# Altium PCB DIO_MCX_Isolated_mezzanine.PCBDOC (part 3 of 3)
Units mm, origin at the board's own origin, x right, y up, seen from the top; angles counter-clockwise.
Board outline 139 x 100 mm, 4 copper layers (L1, P2, P3, L4), stack 1.571 mm thick; 239 components, 136 nets, 884 pads, 299 vias.
Unrouted connection lines stored in the file: 1.
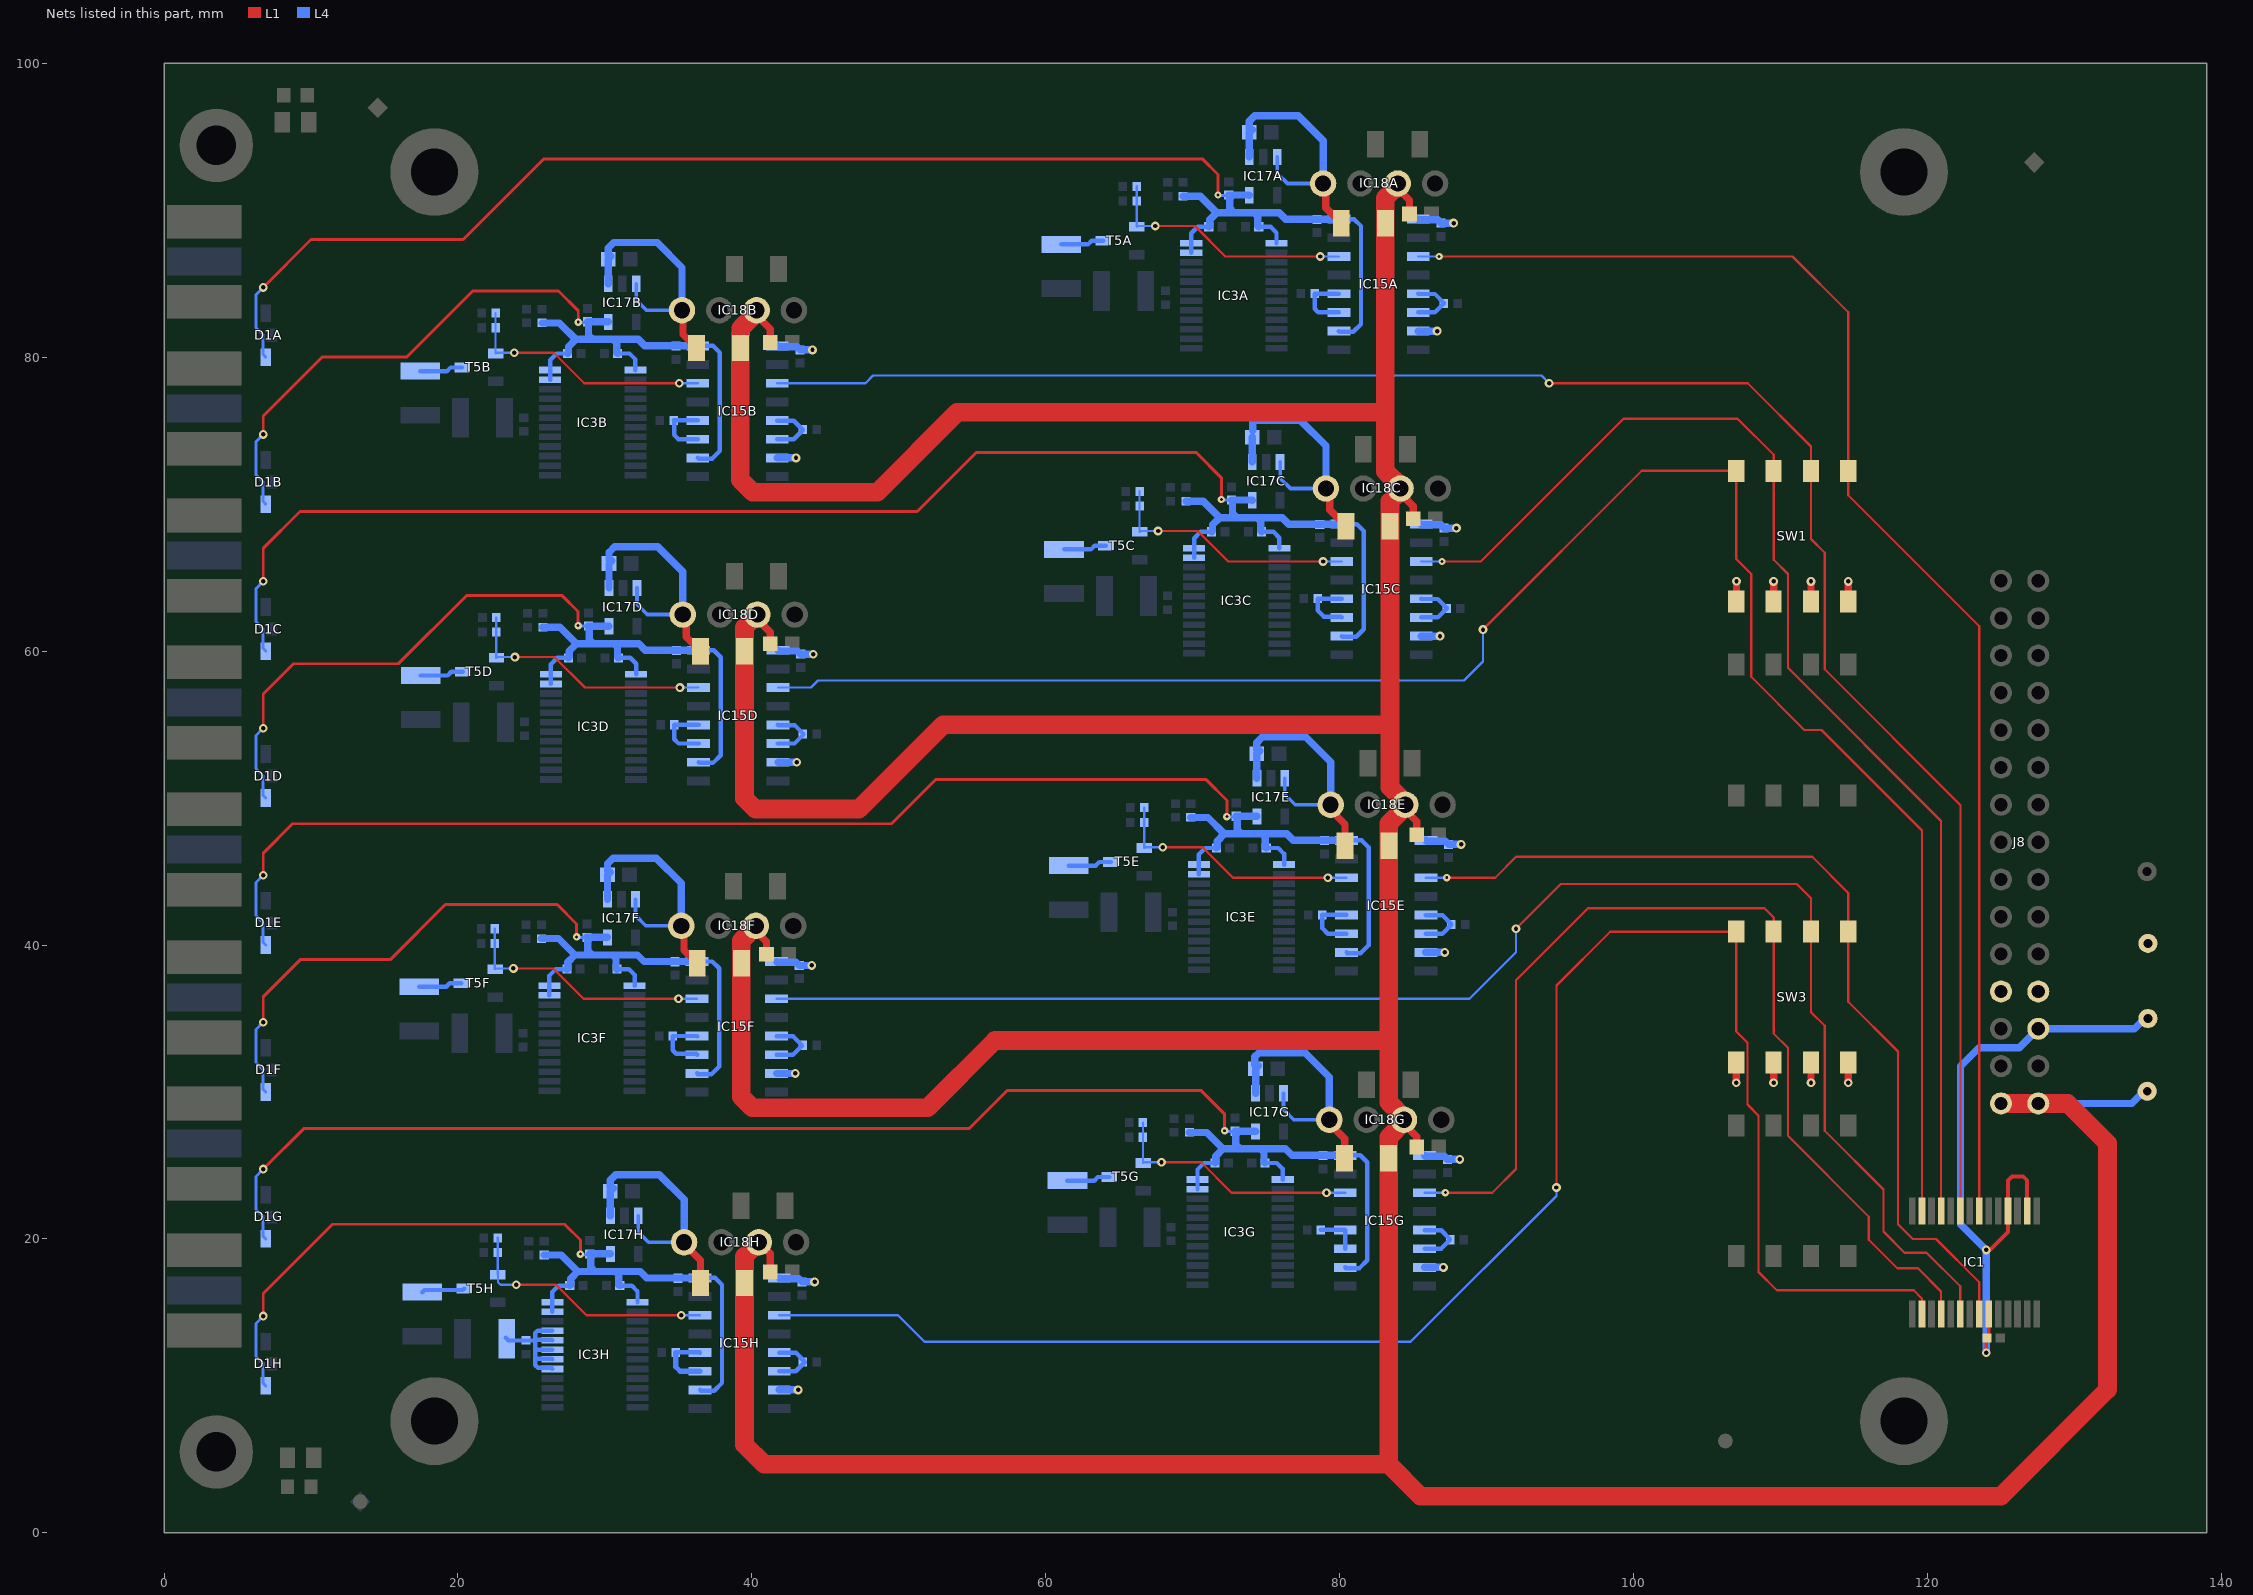
[diagram p5: the nets of this part, all layers, seen from the top]

## Via types
v1: diameter 0.6, hole 0.3, L1 to L4, tented both sides, 259 vias
v2: diameter 0.5, hole 0.2, L1 to L4, tented both sides, 40 vias

## Nets (pads, with @x,y where several pads share a name; then routed paths per layer and width w, separated by ;. In a path a pad name is that pad's centre, name@x,y a point inside that pad or via, vN(x,y) a via of type N, cw(c..) or ccw(c..) an arc to the next point about the centre after c; other vN are vias at no path point) (continued)
NetIC3H_17: IC3H.17 IC3H.18 IC3H.19 IC3H.20 IC3H.21 R62H.2 R65H.2 | length 10.2
  L4 w0.3: R62H.2@23.265,13.266 R62H.2@23.38,13.151 ; R62H.2@23.435,13.086 25.32,13.086 ; IC3H.17@26.42,11.151 26.345,11.226 25.445,11.226 25.265,11.406 25.265,11.851 ; IC3H.18@26.42,11.801 26.37,11.851 25.265,11.851 ; IC3H.19@26.42,12.451 25.265,12.451 ; IC3H.20@26.42,13.101 26.37,13.151 25.265,13.151 ; IC3H.21@26.42,13.751 25.42,13.751 25.265,13.595 25.265,13.151 ; 25.265,11.851 25.265,12.451 ; 25.265,12.451 25.265,13.151
NetIC15A_5: IC15A.5 IC15A.6 R1A.1 | length 4
  L4 w0.3: IC15A.6@85.35,83.045 86.475,83.045 R1A.1@87.085,83.655 87.085,83.675 87.085,83.695 86.481,84.299 85.365,84.299 IC15A.5@85.35,84.315
NetIC15A_11: IC15A.11 IC15A.12 R63A.2 | length 4.4
  L4 w0.3: IC15A.11@79.95,83.045 78.545,83.045 78.3,83.29 R63A.2@78.3,84.325 79.94,84.325 IC15A.12@79.95,84.315
NetIC15B_5: IC15B.5 IC15B.6 R1B.1 | length 4
  L4 w0.3: IC15B.6@41.725,74.42 42.85,74.42 43.46,75.03 43.46,75.05 R1B.1@43.46,75.07 42.856,75.674 41.74,75.674 IC15B.5@41.725,75.69
NetIC15B_11: IC15B.11 IC15B.12 R63B.2 | length 4.4
  L4 w0.3: IC15B.11@36.325,74.42 35,74.42 34.705,74.715 34.705,75.67 R63B.2@34.675,75.7 36.315,75.7 IC15B.12@36.325,75.69
NetIC15C_5: IC15C.5 IC15C.6 R1C.1 | length 4
  L4 w0.3: IC15C.6@85.545,62.29 86.67,62.29 R1C.1@87.28,62.9 87.28,62.92 87.28,62.94 86.675,63.544 85.56,63.544 IC15C.5@85.545,63.56
NetIC15C_11: IC15C.11 IC15C.12 R63C.2 | length 4.3
  L4 w0.3: IC15C.11@80.145,62.29 80.084,62.35 78.92,62.35 78.495,62.775 R63C.2@78.495,63.57 78.505,63.56 IC15C.12@80.145,63.56
NetIC15D_5: IC15D.5 IC15D.6 R1D.1 | length 4
  L4 w0.3: IC15D.6@41.775,53.71 42.9,53.71 43.51,54.32 43.51,54.34 43.51,54.36 42.906,54.964 41.79,54.964 IC15D.5@41.775,54.98
NetIC15D_11: IC15D.11 IC15D.12 R63D.2 | length 4.4
  L4 w0.3: IC15D.11@36.375,53.71 35.015,53.71 34.725,54 R63D.2@34.725,54.99 36.365,54.99 IC15D.12@36.375,54.98
NetIC15E_5: IC15E.5 IC15E.6 R1E.1 | length 4
  L4 w0.3: IC15E.6@85.864,40.77 86.99,40.77 87.6,41.38 R1E.1@87.6,41.4 87.6,41.42 86.995,42.024 85.88,42.024 IC15E.5@85.864,42.04
NetIC15E_11: IC15E.11 IC15E.12 R63E.2 | length 4.4
  L4 w0.3: IC15E.11@80.464,40.77 79.195,40.77 78.815,41.15 R63E.2@78.815,42.05 80.454,42.05 IC15E.12@80.464,42.04
NetIC15F_5: IC15F.5 IC15F.6 R1F.1 | length 4
  L4 w0.3: IC15F.6@41.675,32.53 42.8,32.53 43.41,33.14 43.41,33.16 43.41,33.18 42.806,33.784 41.69,33.784 IC15F.5@41.675,33.8
NetIC15F_11: IC15F.11 IC15F.12 R63F.2 | length 4.4
  L4 w0.3: IC15F.11@36.275,32.53 36.205,32.6 34.855,32.6 34.625,32.83 R63F.2@34.625,33.81 36.265,33.81 IC15F.12@36.275,33.8
NetIC15G_5: IC15G.5 IC15G.6 R1G.1 | length 4
  L4 w0.3: IC15G.6@85.775,19.335 86.9,19.335 R1G.1@87.51,19.945 87.51,19.965 87.51,19.985 86.906,20.589 85.791,20.589 IC15G.5@85.775,20.605
NetIC15G_11: IC15G.11 IC15G.12 R63G.2 | length 2.9
  L4 w0.3: R63G.2@78.725,20.615 80.365,20.615 IC15G.12@80.375,20.605 IC15G.11@80.375,19.335
NetIC15H_5: IC15H.5 IC15H.6 R1H.1 | length 4
  L4 w0.3: IC15H.6@41.87,10.996 42.995,10.996 43.605,11.606 43.605,11.626 43.605,11.646 43.001,12.25 41.885,12.25 IC15H.5@41.87,12.266
NetIC15H_11: IC15H.11 IC15H.12 R63H.2 | length 4.4
  L4 w0.3: R63H.2@34.82,12.276 36.46,12.276 IC15H.12@36.47,12.266
  L4 w0.35: R63H.2@34.82,12.276 34.82,11.305 35.125,11 36.465,11 IC15H.11@36.47,10.996
NetR64A_1: R64A.1 T5A.3 | length 3
  L4 w0.3: R64A.1@61.05,87.675 62.875,87.675 63.125,87.925 T5A.3@63.9,87.925
NetR64B_1: R64B.1 T5B.3 | length 3
  L4 w0.3: R64B.1@17.425,79.05 19.25,79.05 19.5,79.3 T5B.3@20.275,79.3
NetR64C_1: R64C.1 T5C.3 | length 3
  L4 w0.3: R64C.1@61.245,66.92 63.07,66.92 63.32,67.17 T5C.3@64.095,67.17
NetR64D_1: R64D.1 T5D.3 | length 3
  L4 w0.3: R64D.1@17.475,58.34 19.3,58.34 19.55,58.59 T5D.3@20.325,58.59
NetR64E_1: R64E.1 T5E.3 | length 3
  L4 w0.3: R64E.1@61.565,45.4 63.39,45.4 63.64,45.65 T5E.3@64.415,45.65
NetR64F_1: R64F.1 T5F.3 | length 3
  L4 w0.3: R64F.1@17.375,37.16 19.2,37.16 19.45,37.41 T5F.3@20.225,37.41
NetR64G_1: R64G.1 T5G.3 | length 3
  L4 w0.3: R64G.1@61.475,23.965 63.3,23.965 63.55,24.215 T5G.3@64.325,24.215
NetR64H_1: R64H.1 T5H.3 | length 3
  L4 w0.3: R64H.1@17.57,16.376 17.722,16.527 20.322,16.527 T5H.3@20.42,16.626
P3V3: B2.1 C33A.2 C33B.2 C33C.2 C33D.2 C33E.2 C33F.2 C33G.2 C33H.2 IC15A.1 IC15A.7 IC15B.1 IC15B.7 IC15C.1 IC15C.7 IC15D.1 IC15D.7 IC15E.1 IC15E.7 IC15F.1 IC15F.7 IC15G.1 IC15G.7 IC15H.1 IC15H.7 J8.7 J8.8 SW1.5 SW1.6 SW1.7 SW1.8 SW3.5 SW3.6 SW3.7 SW3.8 | length 41.4
  L1 w0.5: v1(106.99,30.63) SW3.5@106.99,32.005 ; SW1.5@106.99,63.365 107,63.375 v1(107,64.75) ; v1(109.53,30.63) SW3.6@109.53,32.005 ; SW1.6@109.53,63.365 v1(109.53,64.74) ; v1(112.07,30.63) SW3.7@112.07,32.005 ; SW1.7@112.07,63.365 v1(112.07,64.74) ; v1(114.61,30.63) SW3.8@114.61,32.005 ; SW1.8@114.61,63.365 v1(114.61,64.74)
  L4 w0.5: IC15F.7@41.675,31.26 v1(42.955,31.26) ; IC15F.1@41.675,38.88 41.725,38.83 43.005,38.83 C33F.2@43.225,38.61 v1(44.075,38.61) ; IC15B.7@41.725,73.15 v1(43.005,73.15) ; IC15B.1@41.725,80.77 41.775,80.72 43.055,80.72 C33B.2@43.275,80.5 v1(44.125,80.5) ; IC15D.7@41.775,52.44 v1(43.055,52.44) ; IC15D.1@41.775,60.06 41.825,60.01 43.105,60.01 C33D.2@43.325,59.79 v1(44.175,59.79) ; IC15H.7@41.87,9.726 v1(43.15,9.726) ; IC15H.1@41.87,17.346 41.92,17.296 43.2,17.296 C33H.2@43.42,17.076 v1(44.27,17.076) ; IC15A.7@85.35,81.775 v1(86.63,81.775) ; IC15A.1@85.35,89.395 85.4,89.345 86.68,89.345 C33A.2@86.9,89.125 v1(87.75,89.125) ; IC15C.7@85.545,61.02 v1(86.825,61.02) ; IC15C.1@85.545,68.64 85.595,68.59 86.875,68.59 C33C.2@87.095,68.37 v1(87.945,68.37) ; IC15G.7@85.775,18.065 v1(87.055,18.065) ; IC15G.1@85.775,25.685 85.825,25.635 87.105,25.635 C33G.2@87.325,25.415 v1(88.175,25.415) ; IC15E.7@85.864,39.5 v1(87.145,39.5) ; IC15E.1@85.864,47.12 85.914,47.07 87.195,47.07 C33E.2@87.415,46.85 v1(88.265,46.85)
P3V3_ISOA: C31A.2 C32A.2 C34A.2 C36A.2 D1A.2 IC3A.1 IC3A.23 IC3A.24 IC15A.10 IC15A.16 IC17A.5 R61A.2 | length 107.6
  L1 w0.2: v1(6.75,84.75) 10,88 20.357,88 25.857,93.5 70.65,93.5 71.716,92.434 v2(71.716,91.034)
  L4 w0.2: v1(6.75,84.75) 6.25,84.25 6.25,82 6.744,81.506 6.744,80.177 D1A.2@6.921,80 ; v2(71.716,91.034) 71.75,91 72.416,91 C34A.2@72.45,91.034
  L4 w0.3: IC3A.23@69.9,87.1 IC3A.24@69.9,87.75 69.9,88.435 70.34,88.875 C31A.2@71.09,88.875 ; C32A.2@74.49,88.875 75.3,88.875 75.7,88.475 IC3A.1@75.7,87.75 ; IC15A.10@79.95,81.775 80,81.725 80.925,81.725 81.45,82.25 81.45,88.925 80.98,89.395 IC15A.16@79.95,89.395
  L4 w0.5: R61A.2@69.35,90.955 70.52,90.955 71.64,89.835 ; C31A.2@71.09,88.875 71.15,88.935 71.15,89.345 71.64,89.835 ; IC17A.5@73.852,91.025 73.843,91.034 C34A.2@72.45,91.034 72.51,90.974 72.51,90.128 72.803,89.835 ; C32A.2@74.49,88.875 74.43,88.935 74.43,89.602 74.197,89.835 ; IC15A.16@79.95,89.395 76.33,89.395 75.89,89.835 74.197,89.835 ; 71.64,89.835 72.803,89.835 ; 72.803,89.835 74.197,89.835
P3V3_ISOB: C31B.2 C32B.2 C34B.2 C36B.2 D1B.2 IC3B.1 IC3B.23 IC3B.24 IC15B.10 IC15B.16 IC17B.5 R61B.2 | length 64.6
  L1 w0.2: v1(6.75,74.75) 6.75,76 10.75,80 16.5,80 21,84.5 26.85,84.5 28.185,83.165 v2(28.185,82.384)
  L4 w0.2: v1(6.75,74.75) 6.25,74.25 6.25,72 6.744,71.506 6.744,70.177 D1B.2@6.921,70 ; v2@28.219,82.349 C34B.2@28.885,82.349
  L4 w0.3: IC3B.23@26.275,78.475 26.275,79.81 26.715,80.25 C31B.2@27.465,80.25 ; C32B.2@30.865,80.25 31.675,80.25 32.075,79.85 IC3B.1@32.075,79.125 ; IC15B.10@36.325,73.15 36.375,73.1 37.3,73.1 37.825,73.625 37.825,80.3 37.355,80.77 IC15B.16@36.325,80.77
  L4 w0.5: R61B.2@25.725,82.33 26.895,82.33 28.015,81.21 ; C31B.2@27.465,80.25 27.525,80.31 27.525,80.72 28.015,81.21 ; IC17B.5@30.227,82.4 30.218,82.409 C34B.2@28.825,82.409 28.885,82.349 28.885,81.503 29.178,81.21 ; C32B.2@30.865,80.25 30.805,80.31 30.805,80.977 30.572,81.21 ; IC15B.16@36.325,80.77 32.705,80.77 32.265,81.21 30.572,81.21 ; 28.015,81.21 29.178,81.21 ; 29.178,81.21 30.572,81.21
P3V3_ISOC: C31C.2 C32C.2 C34C.2 C36C.2 D1C.2 IC3C.1 IC3C.23 IC3C.24 IC15C.10 IC15C.16 IC17C.5 R61C.2 | length 109.4
  L1 w0.2: v1(6.75,64.75) 6.75,67 9.25,69.5 51.25,69.5 55.25,73.5 70.248,73.5 71.945,71.804 v2(71.945,70.314)
  L4 w0.2: v1(6.75,64.75) 6.25,64.25 6.25,62 6.744,61.506 6.744,60.177 D1C.2@6.921,60 ; v2@71.979,70.279 C34C.2@72.645,70.279
  L4 w0.3: IC3C.23@70.095,66.345 70.095,67.68 70.535,68.12 C31C.2@71.285,68.12 ; C32C.2@74.685,68.12 75.495,68.12 75.895,67.72 IC3C.1@75.895,66.995 ; IC15C.10@80.145,61.02 80.195,60.97 81.12,60.97 81.645,61.495 81.645,68.17 81.175,68.64 IC15C.16@80.145,68.64
  L4 w0.5: R61C.2@69.545,70.2 70.715,70.2 71.835,69.08 ; C31C.2@71.285,68.12 71.345,68.18 71.345,68.59 71.835,69.08 ; IC17C.5@74.047,70.27 74.038,70.279 C34C.2@72.645,70.279 72.705,70.219 72.705,69.373 72.998,69.08 ; C32C.2@74.685,68.12 74.625,68.18 74.625,68.847 74.392,69.08 ; IC15C.16@80.145,68.64 76.525,68.64 76.085,69.08 74.392,69.08 ; 71.835,69.08 72.998,69.08 ; 72.998,69.08 74.392,69.08
P3V3_ISOD: C31D.2 C32D.2 C34D.2 C36D.2 D1D.2 IC3D.1 IC3D.23 IC3D.24 IC15D.10 IC15D.16 IC17D.5 R61D.2 | length 65
  L1 w0.2: v1(6.75,54.75) 6.75,57.09 8.8,59.14 15.945,59.14 20.574,63.769 27.096,63.769 28.175,62.69 v2(28.175,61.734)
  L4 w0.2: v1(6.75,54.75) 6.25,54.25 6.25,52 6.744,51.506 6.744,50.177 D1D.2@6.921,50 ; v2@28.209,61.699 C34D.2@28.875,61.699
  L4 w0.3: IC3D.23@26.325,57.765 26.325,59.1 26.765,59.54 C31D.2@27.515,59.54 ; C32D.2@30.915,59.54 31.725,59.54 32.125,59.14 IC3D.1@32.125,58.415 ; IC15D.10@36.375,52.44 36.425,52.39 37.35,52.39 37.875,52.915 37.875,59.59 37.405,60.06 IC15D.16@36.375,60.06
  L4 w0.5: R61D.2@25.775,61.62 26.945,61.62 28.065,60.5 ; C31D.2@27.515,59.54 27.575,59.6 27.575,60.01 28.065,60.5 ; IC17D.5@30.277,61.69 30.268,61.699 C34D.2@28.875,61.699 28.935,61.639 28.935,60.793 29.228,60.5 ; C32D.2@30.915,59.54 30.855,59.6 30.855,60.267 30.622,60.5 ; IC15D.16@36.375,60.06 32.755,60.06 32.315,60.5 30.622,60.5 ; 28.065,60.5 29.228,60.5 ; 29.228,60.5 30.622,60.5
P3V3_ISOE: C31E.2 C32E.2 C34E.2 C36E.2 D1E.2 IC3E.1 IC3E.23 IC3E.24 IC15E.10 IC15E.16 IC17E.5 R61E.2 | length 107.9
  L1 w0.2: v1(6.75,44.75) 6.75,46.25 8.75,48.25 49.5,48.25 52.5,51.25 70.916,51.25 72.325,49.841 v2(72.325,48.734)
  L4 w0.2: v1(6.75,44.75) 6.25,44.25 6.25,42 6.744,41.506 6.744,40.177 D1E.2@6.921,40 ; v2@72.359,48.699 C34E.2@73.025,48.699
  L4 w0.3: IC3E.23@70.415,44.825 70.415,46.16 70.855,46.6 C31E.2@71.605,46.6 ; C32E.2@75.005,46.6 75.814,46.6 76.215,46.2 IC3E.1@76.215,45.475 ; IC15E.10@80.464,39.5 80.514,39.45 81.439,39.45 81.965,39.975 81.965,46.65 81.495,47.12 IC15E.16@80.464,47.12
  L4 w0.5: R61E.2@69.865,48.68 71.035,48.68 72.155,47.56 ; C31E.2@71.605,46.6 71.665,46.66 71.665,47.07 72.155,47.56 ; IC17E.5@74.367,48.75 74.357,48.759 C34E.2@72.965,48.759 73.025,48.699 73.025,47.853 73.317,47.56 ; C32E.2@75.005,46.6 74.945,46.66 74.945,47.327 74.712,47.56 ; IC15E.16@80.464,47.12 76.845,47.12 76.405,47.56 74.712,47.56 ; 72.155,47.56 73.317,47.56 ; 73.317,47.56 74.712,47.56
P3V3_ISOF: C31F.2 C32F.2 C34F.2 C36F.2 D1F.2 IC3F.1 IC3F.23 IC3F.24 IC15F.10 IC15F.16 IC17F.5 R61F.2 | length 64.2
  L1 w0.2: v1(6.75,34.75) 6.75,36.485 9.265,39 15.39,39 19.14,42.75 26.75,42.75 28.075,41.425 v2(28.075,40.554)
  L4 w0.2: v1(6.75,34.75) 6.25,34.25 6.25,32 6.744,31.506 6.744,30.177 D1F.2@6.921,30 ; v2@28.109,40.519 C34F.2@28.775,40.519
  L4 w0.3: IC3F.23@26.225,36.585 26.225,37.92 26.665,38.36 C31F.2@27.415,38.36 ; C32F.2@30.815,38.36 31.625,38.36 32.025,37.96 IC3F.1@32.025,37.235 ; IC15F.10@36.275,31.26 36.325,31.21 37.25,31.21 37.775,31.735 37.775,38.41 37.305,38.88 IC15F.16@36.275,38.88
  L4 w0.5: R61F.2@25.675,40.44 26.845,40.44 27.965,39.32 ; C31F.2@27.415,38.36 27.475,38.42 27.475,38.83 27.965,39.32 ; IC17F.5@30.177,40.51 30.168,40.519 C34F.2@28.775,40.519 28.835,40.459 28.835,39.613 29.128,39.32 ; C32F.2@30.815,38.36 30.755,38.42 30.755,39.087 30.522,39.32 ; IC15F.16@36.275,38.88 32.655,38.88 32.215,39.32 30.522,39.32 ; 27.965,39.32 29.128,39.32 ; 29.128,39.32 30.522,39.32
P3V3_ISOG: C31G.2 C32G.2 C34G.2 C36G.2 D1G.2 IC3G.1 IC3G.23 IC3G.24 IC15G.10 IC15G.16 IC17G.5 R61G.2 | length 106.5
  L1 w0.2: v1(6.75,24.75) 9.5,27.5 54.775,27.5 57.36,30.085 70.581,30.085 72.175,28.49 v2(72.175,27.359)
  L4 w0.2: v1(6.75,24.75) 6.25,24.25 6.25,22 6.744,21.506 6.744,20.177 D1G.2@6.921,20 ; v2@72.21,27.324 C34G.2@72.875,27.324
  L4 w0.3: IC3G.23@70.325,23.39 70.325,24.725 70.765,25.165 C31G.2@71.515,25.165 ; C32G.2@74.915,25.165 75.725,25.165 76.125,24.765 IC3G.1@76.125,24.04 ; IC15G.10@80.375,18.065 80.425,18.015 81.35,18.015 81.875,18.54 81.875,25.215 81.405,25.685 IC15G.16@80.375,25.685
  L4 w0.5: R61G.2@69.775,27.245 70.945,27.245 72.065,26.125 ; C31G.2@71.515,25.165 71.575,25.225 71.575,25.635 72.065,26.125 ; IC17G.5@74.277,27.315 74.268,27.324 C34G.2@72.875,27.324 72.935,27.264 72.935,26.418 73.228,26.125 ; C32G.2@74.915,25.165 74.855,25.225 74.855,25.892 74.622,26.125 ; IC15G.16@80.375,25.685 76.755,25.685 76.315,26.125 74.622,26.125 ; 72.065,26.125 73.228,26.125 ; 73.228,26.125 74.622,26.125
P3V3_ISOH: C31H.2 C32H.2 C34H.2 C36H.2 D1H.2 IC3H.1 IC3H.23 IC3H.24 IC15H.10 IC15H.16 IC17H.5 R61H.2 | length 63.6
  L1 w0.2: v1(6.75,14.75) 6.75,16.286 11.464,21 27.25,21 28.33,19.92 v2(28.33,18.959)
  L4 w0.2: v1(6.75,14.75) 6.25,14.25 6.25,12 6.744,11.506 6.744,10.177 D1H.2@6.921,10 ; v2@28.364,18.925 C34H.2@29.03,18.925
  L4 w0.3: IC3H.23@26.42,15.051 26.42,16.386 26.86,16.826 C31H.2@27.61,16.826 ; C32H.2@31.01,16.826 31.82,16.826 32.22,16.426 IC3H.1@32.22,15.701 ; IC15H.10@36.47,9.726 36.52,9.676 37.445,9.676 37.97,10.201 37.97,16.876 37.5,17.346 IC15H.16@36.47,17.346
  L4 w0.5: R61H.2@25.87,18.906 27.04,18.906 28.16,17.786 ; C31H.2@27.61,16.826 27.67,16.886 27.67,17.296 28.16,17.786 ; IC17H.5@30.372,18.976 30.363,18.985 C34H.2@28.97,18.985 29.03,18.925 29.03,18.078 29.323,17.786 ; C32H.2@31.01,16.826 30.95,16.886 30.95,17.553 30.717,17.786 ; IC15H.16@36.47,17.346 32.85,17.346 32.41,17.786 30.717,17.786 ; 28.16,17.786 29.323,17.786 ; 29.323,17.786 30.717,17.786
P3V3_MP: B1.1 C1.2 IC1.9 IC1.16 IC1.18 J8.5 | length 46.1
  L1 w0.254: v1(124,12.25) 124,13.2 C1.2@124.05,13.25 124.175,13.375 IC1.9@124.175,14.9 ; v1(124,19.25) 124.25,19.25 125.475,20.475 IC1.18@125.475,21.9 125.475,23.975 125.75,24.25 126.515,24.25 126.775,23.99 IC1.16@126.775,21.9
  L4 w0.5: v1(124,12.25) v1(124,19.25) 122.25,21 122.25,31.75 123.5,33 126.24,33 J8.5@127.54,34.3 134.083,34.3 134.784,35 B1.1@135,35
P5V0: B3.1 C3A.2 C3B.2 C3C.2 C3D.2 C3E.2 C3F.2 C3G.2 C3H.2 C4A.2 C4B.2 C4C.2 C4D.2 C4E.2 C4F.2 C4G.2 C4H.2 IC18A.2 IC18B.2 IC18C.2 IC18D.2 IC18E.2 IC18F.2 IC18G.2 IC18H.2 J8.1 J8.2 | length 428.6
  L1 w0.5: IC18F.2@40.275,41.305 40.275,40.953 41,40.228 C3F.2@41,39.38 ; IC18B.2@40.325,83.195 40.325,83.052 40.325,82.843 41.25,81.918 C3B.2@41.25,81 ; IC18D.2@40.375,62.485 40.375,62.165 41.25,61.29 C3D.2@41.25,60.5 ; IC18H.2@40.47,19.771 41.25,18.991 C3H.2@41.25,17.75 ; IC18A.2@83.95,91.677 83.95,91.468 84.75,90.668 C3A.2@84.75,89.75 ; IC18C.2@84.145,70.922 84.145,70.713 85,69.858 C3C.2@85,69 ; IC18G.2@84.375,27.967 84.375,27.825 85.25,26.95 C3G.2@85.25,26.25 ; IC18E.2@84.465,49.402 84.465,49.193 85.25,48.408 C3E.2@85.25,47.5
  L1 w1.27: IC18F.2@40.275,41.305 39.271,40.301 39.271,29.672 40.015,28.928 51.968,28.928 56.54,33.5 83.335,33.5 ; IC18B.2@40.325,83.052 39.25,81.976 39.25,81.575 39.217,81.542 39.217,71.653 40.052,70.818 48.549,70.818 53.981,76.25 83.105,76.25 ; IC18D.2@40.375,62.485 39.5,61.61 C4D.2@39.5,60 39.5,49.994 40.244,49.25 47.278,49.25 53.028,55 83.425,55 ; IC18H.2@40.47,19.771 39.5,18.8 C4H.2@39.5,17 39.5,6 40.835,4.665 83.335,4.665 ; IC18A.2@83.95,91.677 83.105,90.831 C4A.2@83.105,89.125 83.105,76.25 ; J8.2@125,29.22 J8.1@127.54,29.22 129.545,29.22 132.25,26.515 132.25,9.75 125,2.5 85.5,2.5 83.335,4.665 ; 83.105,76.25 83.105,72.248 84.145,71.208 IC18C.2@84.145,71.065 84.145,70.922 83.425,70.201 C4C.2@83.425,68.5 83.425,55 ; 83.335,4.665 83.335,26.927 84.375,27.967 IC18G.2@84.375,28.11 84.375,28.253 83.335,29.293 83.335,33.5 ; 83.335,33.5 83.335,48.272 84.465,49.402 IC18E.2@84.465,49.545 84.465,49.688 83.425,50.728 83.425,55
  L4 w0.5: J8.1@127.54,29.22 133.904,29.22 134.734,30.05 B3.1@134.942,30.05
  L4 w1.27: B3.1@134.942,30.05 B3.1@134.951,30.05
P5V0_ISOA: C2A.2 C4A.1 IC17A.1 IC17A.3 IC18A.4 | length 19.2
  L1 w0.5: IC18A.4@78.87,91.82 79.06,91.63 79.06,90.17 C4A.1@80.105,89.125
  L4 w0.254: IC17A.3@75.752,93.625 75.752,92.523 76.455,91.82 IC18A.4@78.87,91.82
  L4 w0.5: IC17A.1@73.852,93.625 C2A.2@73.852,95.3 74.04,95.488 74.012,95.488 73.95,95.55 73.85,95.55 73.85,96.05 74.225,96.425 77.175,96.425 78.87,94.73 IC18A.4@78.87,91.82
P5V0_ISOB: C2B.2 C4B.1 IC17B.1 IC17B.3 IC18B.4 | length 18.9
  L1 w0.5: IC18B.4@35.245,83.195 35.315,83.125 35.315,81.545 C4B.1@36.235,80.625
  L4 w0.254: IC17B.3@32.127,85 32.127,83.898 32.83,83.195 IC18B.4@35.245,83.195
  L4 w0.5: IC17B.1@30.227,85 C2B.2@30.227,86.675 30.415,86.863 30.387,86.863 30.325,86.925 30.225,86.925 30.225,87.425 30.6,87.8 33.55,87.8 35.245,86.105 IC18B.4@35.245,83.195
P5V0_ISOC: C2C.2 C4C.1 IC17C.1 IC17C.3 IC18C.4 | length 18.5
  L1 w0.5: IC18C.4@79.065,71.065 79.314,70.816 79.314,69.611 C4C.1@80.425,68.5
  L4 w0.254: IC17C.3@75.947,72.87 75.947,71.768 76.65,71.065 IC18C.4@79.065,71.065
  L4 w0.5: IC17C.1@74.047,72.87 C2C.2@74.047,74.545 ; C2C.2@74.095,75.02 74.095,75.52 74.295,75.721 77.319,75.721 79.065,73.975 IC18C.4@79.065,71.065
P5V0_ISOD: C2D.2 C4D.1 IC17D.1 IC17D.3 IC18D.4 | length 18.9
  L1 w0.5: IC18D.4@35.295,62.485 35.544,62.236 35.544,60.956 C4D.1@36.5,60
  L4 w0.254: IC17D.3@32.177,64.29 32.177,63.188 32.88,62.485 IC18D.4@35.295,62.485
  L4 w0.5: IC17D.1@30.277,64.29 C2D.2@30.277,65.965 30.465,66.153 30.437,66.153 30.375,66.215 30.275,66.215 30.275,66.715 30.65,67.09 33.6,67.09 35.295,65.395 IC18D.4@35.295,62.485
P5V0_ISOE: C2E.2 C4E.1 IC17E.1 IC17E.3 IC18E.4 | length 19.2
  L1 w0.5: IC18E.4@79.385,49.545 79.385,49.193 80.365,48.213 C4E.1@80.365,46.75
  L4 w0.254: IC17E.3@76.267,51.35 76.267,50.248 76.97,49.545 IC18E.4@79.385,49.545
  L4 w0.5: IC17E.1@74.367,51.35 C2E.2@74.367,53.025 74.555,53.213 74.527,53.213 74.465,53.275 74.365,53.275 74.365,53.775 74.739,54.15 77.69,54.15 79.385,52.455 IC18E.4@79.385,49.545
P5V0_ISOF: C2F.2 C4F.1 IC17F.1 IC17F.3 IC18F.4 | length 19
  L1 w0.5: IC18F.4@35.195,41.305 35.38,41.12 35.38,39.655 C4F.1@36.285,38.75
  L4 w0.254: IC17F.3@32.077,43.11 32.077,42.008 32.78,41.305 IC18F.4@35.195,41.305
  L4 w0.5: IC17F.1@30.177,43.11 C2F.2@30.177,44.785 30.365,44.973 30.337,44.973 30.275,45.035 30.175,45.035 30.175,45.535 30.55,45.91 33.5,45.91 35.195,44.215 IC18F.4@35.195,41.305
P5V0_ISOG: C2G.2 C4G.1 IC17G.1 IC17G.3 IC18G.4 | length 19.1
  L1 w0.5: IC18G.4@79.295,28.11 79.295,27.857 80.335,26.817 C4G.1@80.335,25.5
  L4 w0.254: IC17G.3@76.177,29.915 76.177,28.813 76.88,28.11 IC18G.4@79.295,28.11
  L4 w0.5: IC17G.1@74.277,29.915 C2G.2@74.277,31.59 74.465,31.778 74.292,31.778 74.23,31.84 74.23,32.395 74.49,32.655 77.66,32.655 79.295,31.02 IC18G.4@79.295,28.11
P5V0_ISOH: C2H.2 C4H.1 IC17H.1 IC17H.3 IC18H.4 | length 19.2
  L1 w0.5: IC18H.4@35.39,19.771 35.39,19.657 36.5,18.547 C4H.1@36.5,17
  L4 w0.254: IC17H.3@32.272,21.576 32.272,20.473 32.975,19.771 IC18H.4@35.39,19.771
  L4 w0.5: IC17H.1@30.372,21.576 C2H.2@30.372,23.251 30.56,23.439 30.532,23.439 30.47,23.501 30.37,23.501 30.37,24.001 30.74,24.371 33.7,24.371 35.39,22.681 IC18H.4@35.39,19.771
TERM1: IC1.21 IC15A.3 SW1.1 | length 95.7
  L1 w0.152: v2(86.77,86.855) 110.82,86.855 114.61,83.065 SW1.1@114.61,72.265 114.61,70.61 123.525,61.695 123.525,23.295 IC1.21@123.525,21.9
  L4 w0.152: IC15A.3@85.35,86.855 v2(86.77,86.855)
TERM3: IC1.23 IC15B.3 SW1.2 | length 128.8
  L1 w0.152: v1(94.25,78.23) 107.77,78.23 112.07,73.93 SW1.2@112.07,72.265 112.07,67.63 113,66.7 113,58.769 122.25,49.519 122.25,21.925 IC1.23@122.225,21.9
  L4 w0.152: IC15B.3@41.725,78.23 47.73,78.23 48.25,78.75 93.73,78.75 v1(94.25,78.23)
TERM5: IC1.25 IC15C.3 SW1.3 | length 85.2
  L1 w0.152: v2(86.965,66.1) 89.6,66.1 99.315,75.815 107.075,75.815 109.53,73.36 SW1.3@109.53,72.265 109.53,66.22 110.5,65.25 110.5,58.87 120.925,48.445 IC1.25@120.925,21.9
  L4 w0.152: IC15C.3@85.545,66.1 v2(86.965,66.1)
TERM7: IC1.27 IC15D.3 SW1.4 | length 128.9
  L1 w0.152: v1(89.75,61.465) 100.55,72.265 SW1.4@106.99,72.265 106.99,66.26 108,65.25 108,58.25 111.615,54.635 112.785,54.635 119.625,47.795 IC1.27@119.625,21.9
  L4 w0.152: IC15D.3@41.775,57.52 44.02,57.52 44.5,58 88.46,58 89.75,59.29 v1(89.75,61.465)
TERM9: IC1.8 IC15E.3 SW3.1 | length 63.6
  L1 w0.152: v2(87.284,44.58) 90.58,44.58 92,46 112.15,46 114.61,43.54 SW3.1@114.61,40.905 114.61,36.14 118,32.75 118,21 119,20 120.576,20 123.525,17.051 IC1.8@123.525,14.9
  L4 w0.152: IC15E.3@85.864,44.58 v2(87.284,44.58)
TERM11: IC1.6 IC15F.3 SW3.2 | length 108.3
  L1 w0.152: v1(92,41.11) 95.04,44.15 111.11,44.15 112.07,43.19 SW3.2@112.07,40.905 112.07,35.43 113,34.5 113,27.36 117,23.36 117,20.5 118.435,19.065 119.935,19.065 122.225,16.775 IC1.6@122.225,14.9
  L4 w0.152: IC15F.3@41.675,36.34 88.84,36.34 92,39.5 v1(92,41.11)
TERM13: IC1.4 IC15G.3 SW3.3 | length 72.1
  L1 w0.152: v2(87.195,23.145) 90.39,23.145 92,24.755 92,37.61 96.89,42.5 108.905,42.5 109.53,41.875 SW3.3@109.53,40.905 109.53,33.97 110.5,33 110.5,27.015 116,21.515 116,19.95 117.95,18 119.351,18 120.925,16.426 IC1.4@120.925,14.9
  L4 w0.152: IC15G.3@85.775,23.145 v2(87.195,23.145)
TERM15: IC1.2 IC15H.3 SW3.4 | length 122.5
  L1 w0.152: v1(94.75,23.5) 94.75,37.25 98.405,40.905 SW3.4@106.99,40.905 106.99,34.11 107.75,33.35 107.75,29.14 108.5,28.39 108.5,17.75 109.75,16.5 119.061,16.5 119.625,15.936 IC1.2@119.625,14.9
  L4 w0.152: IC15H.3@41.87,14.806 49.944,14.806 51.75,13 84.824,13 94.75,22.926 v1(94.75,23.5)
TERM_ISOA: IC15A.14 R66A.1 R67A.2 T5A.1 | length 17.4
  L1 w0.152: v1(67.45,88.925) 70.15,88.925 72.22,86.855 v1(78.68,86.855)
  L4 w0.152: R66A.1@66.185,91.625 R67A.2@66.185,90.625 66.185,88.89 T5A.1@66.2,88.875 66.25,88.925 v1(67.45,88.925) ; v1(78.68,86.855) IC15A.14@79.95,86.855
TERM_ISOB: IC15B.14 R66B.1 R67B.2 T5B.1 | length 17.4
  L1 w0.152: v1(23.825,80.3) 26.525,80.3 28.595,78.23 v1(35.055,78.23)
  L4 w0.152: R66B.1@22.56,83 R67B.2@22.56,82 22.56,80.265 T5B.1@22.575,80.25 22.625,80.3 v1(23.825,80.3) ; v1(35.055,78.23) IC15B.14@36.325,78.23
TERM_ISOC: IC15C.14 R66C.1 R67C.2 T5C.1 | length 17.4
  L1 w0.152: v1(67.645,68.17) 70.345,68.17 72.415,66.1 v1(78.875,66.1)
  L4 w0.152: R66C.1@66.38,70.87 R67C.2@66.38,69.87 66.38,68.135 T5C.1@66.395,68.12 66.445,68.17 v1(67.645,68.17) ; v1(78.875,66.1) IC15C.14@80.145,66.1
TERM_ISOD: IC15D.14 R66D.1 R67D.2 T5D.1 | length 17.4
  L1 w0.152: v1(23.875,59.59) 26.575,59.59 28.645,57.52 v1(35.105,57.52)
  L4 w0.152: R66D.1@22.61,62.29 R67D.2@22.61,61.29 22.61,59.555 T5D.1@22.625,59.54 22.675,59.59 v1(23.875,59.59) ; v1(35.105,57.52) IC15D.14@36.375,57.52
TERM_ISOE: IC15E.14 R66E.1 R67E.2 T5E.1 | length 17.4
  L1 w0.152: v1(67.965,46.65) 70.665,46.65 72.735,44.58 v1(79.195,44.58)
  L4 w0.152: R66E.1@66.7,49.35 R67E.2@66.7,48.35 66.7,46.615 T5E.1@66.715,46.6 66.765,46.65 v1(67.965,46.65) ; v1(79.195,44.58) IC15E.14@80.464,44.58
TERM_ISOF: IC15F.14 R66F.1 R67F.2 T5F.1 | length 17.4
  L1 w0.152: v1(23.775,38.41) 26.475,38.41 28.545,36.34 v1(35.005,36.34)
  L4 w0.152: R66F.1@22.51,41.11 R67F.2@22.51,40.11 22.51,38.375 T5F.1@22.525,38.36 22.575,38.41 v1(23.775,38.41) ; v1(35.005,36.34) IC15F.14@36.275,36.34
TERM_ISOG: IC15G.14 R66G.1 R67G.2 T5G.1 | length 17.4
  L1 w0.152: v1(67.875,25.215) 70.575,25.215 72.645,23.145 v1(79.105,23.145)
  L4 w0.152: R66G.1@66.61,27.915 R67G.2@66.61,26.915 66.61,25.18 T5G.1@66.625,25.165 66.675,25.215 v1(67.875,25.215) ; v1(79.105,23.145) IC15G.14@80.375,23.145
TERM_ISOH: IC15H.14 R66H.1 R67H.2 T5H.1 | length 17.7
  L1 w0.152: v1(23.97,16.876) 26.67,16.876 28.74,14.806 v1(35.2,14.806)
  L4 w0.152: T5H.1@22.705,17.576 R67H.2@22.705,19.076 R66H.1@22.705,20.076 ; T5H.1@22.72,17.576 22.72,17.051 22.895,16.876 v1(23.97,16.876) ; v1(35.2,14.806) IC15H.14@36.47,14.806
pads on no net: FTG3.1 FTG4.FTG2 FTG5.1 FTG6.FTG2 FTG7.FTG2 FTG8.1 IC1.11 IC1.14 IC1.19 IC1.20 IC3A.14 IC3A.15 IC3A.16 IC3B.14 IC3B.15 IC3B.16 IC3C.14 IC3C.15 IC3C.16 IC3D.14 IC3D.15 IC3D.16 IC3E.14 IC3E.15 IC3E.16 IC3F.14 IC3F.15 IC3F.16 IC3G.14 IC3G.15 IC3G.16 IC3H.14 IC3H.15 IC3H.16 IC15A.15 IC15B.15 IC15C.15 IC15D.15 IC15E.15 IC15F.15 IC15G.15 IC15H.15 IC17A.4 IC17B.4 IC17C.4 IC17D.4 IC17E.4 IC17F.4 IC17G.4 IC17H.4

## Polygon pours and split planes (outlines as drawn)
no net on L1 "BAL_TOP" (solid, pour order 0): 0,100 0,0 139,0 139,100
no net on L4 "BAL_BOT" (solid, pour order 2): -0.1,100 -0.1,0 139,0 139,100
GND on P2 (split plane): 138.49,0.51 0.51,0.51 0.51,99.489 138.49,99.489
GND_ISO7 on P3 (split plane): 38.998,49.733 23.572,49.733 21.45,51.855 21.374,51.918 21.287,51.964 21.193,51.993 21.095,52.002 0.51,52.002 0.51,60.998 17.225,60.998 17.323,61.007 17.417,61.036 17.504,61.082 17.58,61.145 23.288,66.853 38.998,66.853
GND_ISO9 on P3 (split plane): 83.08,37.502 56.818,37.502 47.965,46.355 47.889,46.418 47.802,46.464 47.708,46.493 47.61,46.502 20,46.502 19.902,46.493 19.808,46.464 19.721,46.418 19.645,46.355 15.862,42.573 15.292,42.002 0.51,42.002 0.51,50.998 20.887,50.998 23.009,48.875 23.085,48.813 23.172,48.766 23.266,48.738 23.364,48.728 47.259,48.728 47.357,48.738 47.451,48.766 47.538,48.813 47.614,48.875 53.216,54.478 83.08,54.478
GND_ISO3 on P3 (split plane): 38.715,71.372 22.208,71.372 21.725,71.855 21.649,71.918 21.562,71.964 21.468,71.993 21.37,72.002 0.51,72.002 0.51,80.998 16.9,80.998 16.998,81.007 17.092,81.036 17.179,81.082 17.255,81.145 24.433,88.323 38.715,88.323
GND_ISO15 on P3 (split plane): 38.998,4.34 38.96,4.302 18.408,4.302 10.855,11.855 10.779,11.918 10.692,11.964 10.598,11.993 10.5,12.002 0.51,12.002 0.51,20.998 24.415,20.998 24.513,21.007 24.607,21.036 24.694,21.082 24.77,21.145 28.123,24.498 38.998,24.498
GND_ISO11 on P3 (split plane): 38.998,29.452 19.184,29.452 16.781,31.855 16.705,31.918 16.618,31.964 16.523,31.993 16.425,32.002 0.51,32.002 0.51,40.998 15.5,40.998 15.598,41.007 15.692,41.036 15.779,41.082 15.855,41.145 16.573,41.862 20.208,45.498 38.998,45.498
GND_ISO5 on P3 (split plane): 82.462,59.177 53.108,59.177 44.575,67.711 44.499,67.773 44.412,67.819 44.318,67.848 44.22,67.858 23.08,67.858 22.982,67.848 22.888,67.819 22.801,67.773 22.725,67.711 17.017,62.002 0.51,62.002 0.51,70.998 21.162,70.998 21.645,70.515 21.721,70.452 21.808,70.406 21.902,70.377 22,70.368 48.77,70.368 48.868,70.377 48.962,70.406 49.049,70.452 49.125,70.515 54.158,75.548 82.462,75.548
GND_ISO1 on P3 (split plane): 82.448,80.052 54.343,80.052 45.215,89.18 45.139,89.243 45.052,89.289 44.958,89.318 44.86,89.327 24.225,89.327 24.127,89.318 24.033,89.289 23.946,89.243 23.87,89.18 16.692,82.002 0.51,82.002 0.51,91.059 19.343,91.059 19.441,91.069 19.535,91.097 19.622,91.144 19.698,91.206 22.635,94.143 70.232,94.143 70.33,94.152 70.424,94.181 70.511,94.227 70.587,94.29 72.795,96.498 82.448,96.498
P3V3 on P3 (split plane): 155 vertices, not listed, extent 0.51,0.51 138.49,99.489
GND_ISO13 on P3 (split plane): 83.042,14.502 55.398,14.502 44.545,25.355 44.469,25.418 44.382,25.464 44.288,25.493 44.19,25.502 27.915,25.502 27.817,25.493 27.723,25.464 27.636,25.418 27.56,25.355 24.207,22.002 0.51,22.002 0.51,30.998 16.217,30.998 18.621,28.594 18.697,28.531 18.784,28.485 18.878,28.456 18.976,28.447 51.859,28.447 51.957,28.456 52.051,28.485 52.138,28.531 52.214,28.594 56.618,32.998 83.042,32.998

## Keep-outs
Keep-Out Layer:
  lines w0.254: -0.1,0 -0.1,100 ; 0,0 139,0 139,100 0,100

## Other copper
L1:
  text "FS" at 15.6,1.1 h1
P3 (plane layer: these items are gaps in the copper):
  lines w1: -0.151,91.562 19.343,91.562 22.427,94.645 70.232,94.645 72.587,97 82.95,97 82.95,79.55 54.135,79.55 44.86,88.825 35.105,88.825 24.225,88.825 16.9,81.5 12.5,81.5 0,81.5 ; 0,11.5 10,11.5 10.5,11.5 18.2,3.8 39.168,3.8 ; 0,21.5 18.325,21.5 24.415,21.5 27.915,25 44.19,25 55.19,14 83.544,14 83.544,33.5 78.875,33.5 56.41,33.5 51.859,28.949 39.5,28.949 ; 0,31.5 13.505,31.5 16.425,31.5 18.976,28.949 38.051,28.949 39.5,28.949 ; 0,41.5 15.5,41.5 16.218,42.218 20,46 47.61,46 56.61,37 83.164,37 83.582,37 83.582,54.98 53.008,54.98 47.259,49.23 39.5,49.23 ; 0,51.5 20.15,51.5 21.095,51.5 23.364,49.23 39.025,49.23 39.5,49.23 ; 0,61.5 15.8,61.5 ; 0,71.5 18.875,71.5 21.37,71.5 22,70.87 39.025,70.87 ; 15.5,61.5 17.225,61.5 23.08,67.355 44.22,67.355 52.9,58.675 82.965,58.675 82.965,76.05 82.45,76.05 53.95,76.05 48.77,70.87 39.025,70.87 ; 39.217,88.825 39.217,70.87 39.025,70.87 ; 39.5,4.132 39.168,3.8 ; 39.5,25 39.5,3.8 39.168,3.8 ; 39.5,46 39.5,28.949 ; 39.5,67.355 39.5,49.23

## Silkscreen, mask and mechanical layers (free items; w line width, h text height)
Top Overlay:
  drawing of 1240 lines, arcs and shapes, not listed
  text "IO1" at 9.625,86.087 h1.5
  text "IO3" at 9.625,75.993 h1.5
  text "IO7" at 107.911,73.805 h1.5 r90
  text "IO5" at 110.466,73.805 h1.5 r90
  text "IO3" at 113.021,73.805 h1.5 r90
  text "IO1" at 115.577,73.805 h1.5 r90
  text "TERM" at 97.435,66.545 h1.5
  text "IO5" at 9.625,65.898 h1.5
  text "IO7" at 9.625,55.804 h1.5
  text "DIR" at 97.435,53.915 h1.5
  text "Licensed under CERN-OHL-S v2 or later" at 136.9,52.2 h1.5 r90
  text "IO9" at 9.625,45.709 h1.5
  text "GND" at 129.375,44.472 h0.76
  text "P3V3" at 129.275,39.622 h0.76
  text "IO15" at 108.161,39.115 h1.5 r90
  text "IO13" at 110.716,39.115 h1.5 r90
  text "IO11" at 113.271,39.115 h1.5 r90
  text "IO9" at 115.827,39.115 h1.5 r90
  text "TERM" at 97.435,35.665 h1.5
  text "IO11" at 9.625,35.614 h1.5
  text "P3V3MP" at 129.275,34.347 h0.76
  text "P5V0" at 129.275,29.607 h0.76
  text "IO13" at 9.625,25.52 h1.5
  text "DIR" at 97.435,21.915 h1.5
  text "0x22" at 129.528,16.915 h0.6 r90
  text "IO15" at 9.625,15.425 h1.5
  text "MCX DIO16 / Isolated / Mezzanine v1.0" at 82.1,4.91 h1.5
  text "WUT ISE 2020 F.S." at 84.2,2.433 h1.02
Bottom Overlay:
  drawing of 1221 lines, arcs and shapes, not listed
  text "IO1" at 13.725,86.087 h1.5
  text "IO3" at 13.725,75.993 h1.5
  text "IO5" at 13.725,65.898 h1.5
  text "IO7" at 13.725,55.804 h1.5
  text "MCX DIO16 / Isolated  Mezzaninev1.0" at 118.561,46.624 h1.5
  text "IO9" at 13.725,45.709 h1.5
  text "WUT ISE 2020 F.S." at 116.511,44.199 h1.02
  text "IO11" at 13.725,35.614 h1.5
  text "IO13" at 13.725,25.52 h1.5
  text "IO15" at 13.725,15.425 h1.5
Bottom Paste:
  drawing of 164 lines, arcs and shapes, not listed
Mechanical 1:
  drawing of 330 lines, arcs and shapes, not listed
  text "Layer" at 149.888,93.34 h1.52
  text "Name" at 160.3,93.34 h1.52
  text "Material" at 183.916,93.34 h1.52
  text "Thickness" at 205.754,93.34 h1.52
  text "Constant" at 222.259,93.34 h1.52
  text "Board Layer Stack" at 236.734,93.34 h1.52
  text "1" at 149.888,90.292 h1.52
  text "Top Overlay" at 160.3,90.292 h1.52
  text "2" at 149.888,87.244 h1.52
  text "Top Solder" at 160.3,87.244 h1.52
  text "Solder Resist" at 183.916,87.244 h1.52
  text "0,034mm" at 205.754,87.244 h1.52
  text "3,5" at 222.259,87.244 h1.52
  text "3" at 149.888,84.196 h1.52
  text "L1" at 160.3,84.196 h1.52
  text "Copper" at 183.916,84.196 h1.52
  text "0,035mm" at 205.754,84.196 h1.52
  text "4" at 149.888,81.148 h1.52
  text "Dielectric 2" at 160.3,81.148 h1.52
  text "7628" at 183.916,81.148 h1.52
  text "0,200mm" at 205.754,81.148 h1.52
  text "4,1" at 222.259,81.148 h1.52
  text "5" at 149.888,78.1 h1.52
  text "P2" at 160.3,78.1 h1.52
  text "Copper" at 183.916,78.1 h1.52
  text "0,018mm" at 205.754,78.1 h1.52
  text "6" at 149.888,75.052 h1.52
  text "Dielectric 3" at 160.3,75.052 h1.52
  text "PP-006" at 183.916,75.052 h1.52
  text "1,065mm" at 205.754,75.052 h1.52
  text "4,1" at 222.259,75.052 h1.52
  text "7" at 149.888,72.004 h1.52
  text "P3" at 160.3,72.004 h1.52
  text "Copper" at 183.916,72.004 h1.52
  text "0,018mm" at 205.754,72.004 h1.52
  text "8" at 149.888,68.956 h1.52
  text "Dielectric 1" at 160.3,68.956 h1.52
  text "7628" at 183.916,68.956 h1.52
  text "0,200mm" at 205.754,68.956 h1.52
  text "4,1" at 222.259,68.956 h1.52
  text "9" at 149.888,65.908 h1.52
  text "L4" at 160.3,65.908 h1.52
  text "Copper" at 183.916,65.908 h1.52
  text "0,035mm" at 205.754,65.908 h1.52
  text "10" at 149.888,62.86 h1.52
  text "Bottom Solder" at 160.3,62.86 h1.52
  text "Solder Resist" at 183.916,62.86 h1.52
  text "0,034mm" at 205.754,62.86 h1.52
  text "3,5" at 222.259,62.86 h1.52
  text "11" at 149.888,59.812 h1.52
  text "Bottom Overlay" at 160.3,59.812 h1.52
Mechanical 13:
  lines w0.2: -5.05,-14.25 -5.05,98.225

## Text inside footprints (layer, text, board x,y; h text height)
IC18A: Mechanical 14 "-Vin" at 86.115,93.09 h0.75 r270; Mechanical 14 "+Vin" at 83.575,93.09 h0.75 r270; Mechanical 14 "-Vout" at 81.035,93.09 h0.75 r270; Mechanical 14 "+Vout" at 78.495,93.09 h0.75 r270
IC18B: Mechanical 14 "-Vin" at 42.49,84.465 h0.75 r270; Mechanical 14 "+Vin" at 39.95,84.465 h0.75 r270; Mechanical 14 "-Vout" at 37.41,84.465 h0.75 r270; Mechanical 14 "+Vout" at 34.87,84.465 h0.75 r270
IC18C: Mechanical 14 "-Vin" at 86.31,72.335 h0.75 r270; Mechanical 14 "+Vin" at 83.77,72.335 h0.75 r270; Mechanical 14 "-Vout" at 81.23,72.335 h0.75 r270; Mechanical 14 "+Vout" at 78.69,72.335 h0.75 r270
IC18D: Mechanical 14 "-Vin" at 42.54,63.755 h0.75 r270; Mechanical 14 "+Vin" at 40,63.755 h0.75 r270; Mechanical 14 "-Vout" at 37.46,63.755 h0.75 r270; Mechanical 14 "+Vout" at 34.92,63.755 h0.75 r270
IC18E: Mechanical 14 "-Vin" at 86.63,50.815 h0.75 r270; Mechanical 14 "+Vin" at 84.09,50.815 h0.75 r270; Mechanical 14 "-Vout" at 81.55,50.815 h0.75 r270; Mechanical 14 "+Vout" at 79.01,50.815 h0.75 r270
IC18F: Mechanical 14 "-Vin" at 42.44,42.575 h0.75 r270; Mechanical 14 "+Vin" at 39.9,42.575 h0.75 r270; Mechanical 14 "-Vout" at 37.36,42.575 h0.75 r270; Mechanical 14 "+Vout" at 34.82,42.575 h0.75 r270
IC18G: Mechanical 14 "-Vin" at 86.54,29.38 h0.75 r270; Mechanical 14 "+Vin" at 84,29.38 h0.75 r270; Mechanical 14 "-Vout" at 81.46,29.38 h0.75 r270; Mechanical 14 "+Vout" at 78.92,29.38 h0.75 r270
IC18H: Mechanical 14 "-Vin" at 42.635,21.041 h0.75 r270; Mechanical 14 "+Vin" at 40.095,21.041 h0.75 r270; Mechanical 14 "-Vout" at 37.555,21.041 h0.75 r270; Mechanical 14 "+Vout" at 35.015,21.041 h0.75 r270
J8: Mechanical 14 "30" at 122.079,63.891 h1.2 r270; Bottom Overlay "30" at 122.079,63.891 h1.2 r270
SW1: Top Overlay "1" at 114.737,70.482 h1 r180; Top Overlay "2" at 112.451,70.482 h1 r180; Top Overlay "ON" at 115.499,66.037 h1 r180; Top Overlay "3" at 109.911,70.482 h1 r180; Top Overlay "4" at 107.371,70.482 h1 r180; Mechanical 14 "1" at 114.737,70.482 h1 r180; Mechanical 14 "2" at 112.451,70.482 h1 r180; Mechanical 14 "ON" at 115.499,66.037 h1 r180; Mechanical 14 "3" at 109.911,70.482 h1 r180; Mechanical 14 "4" at 107.371,70.482 h1 r180
SW2: Top Overlay "1" at 114.737,57.302 h1 r180; Top Overlay "2" at 112.451,57.302 h1 r180; Top Overlay "ON" at 115.499,52.857 h1 r180; Top Overlay "3" at 109.911,57.302 h1 r180; Top Overlay "4" at 107.371,57.302 h1 r180; Mechanical 14 "1" at 114.737,57.302 h1 r180; Mechanical 14 "2" at 112.451,57.302 h1 r180; Mechanical 14 "ON" at 115.499,52.857 h1 r180; Mechanical 14 "3" at 109.911,57.302 h1 r180; Mechanical 14 "4" at 107.371,57.302 h1 r180
SW3: Top Overlay "1" at 114.737,39.122 h1 r180; Top Overlay "2" at 112.451,39.122 h1 r180; Top Overlay "ON" at 115.499,34.677 h1 r180; Top Overlay "3" at 109.911,39.122 h1 r180; Top Overlay "4" at 107.371,39.122 h1 r180; Mechanical 14 "1" at 114.737,39.122 h1 r180; Mechanical 14 "2" at 112.451,39.122 h1 r180; Mechanical 14 "ON" at 115.499,34.677 h1 r180; Mechanical 14 "3" at 109.911,39.122 h1 r180; Mechanical 14 "4" at 107.371,39.122 h1 r180
SW4: Top Overlay "1" at 114.737,25.942 h1 r180; Top Overlay "2" at 112.451,25.942 h1 r180; Top Overlay "ON" at 115.499,21.497 h1 r180; Top Overlay "3" at 109.911,25.942 h1 r180; Top Overlay "4" at 107.371,25.942 h1 r180; Mechanical 14 "1" at 114.737,25.942 h1 r180; Mechanical 14 "2" at 112.451,25.942 h1 r180; Mechanical 14 "ON" at 115.499,21.497 h1 r180; Mechanical 14 "3" at 109.911,25.942 h1 r180; Mechanical 14 "4" at 107.371,25.942 h1 r180